# Altium PCB control_PWR_PCB.PcbDoc (part 1 of 2) (continued)
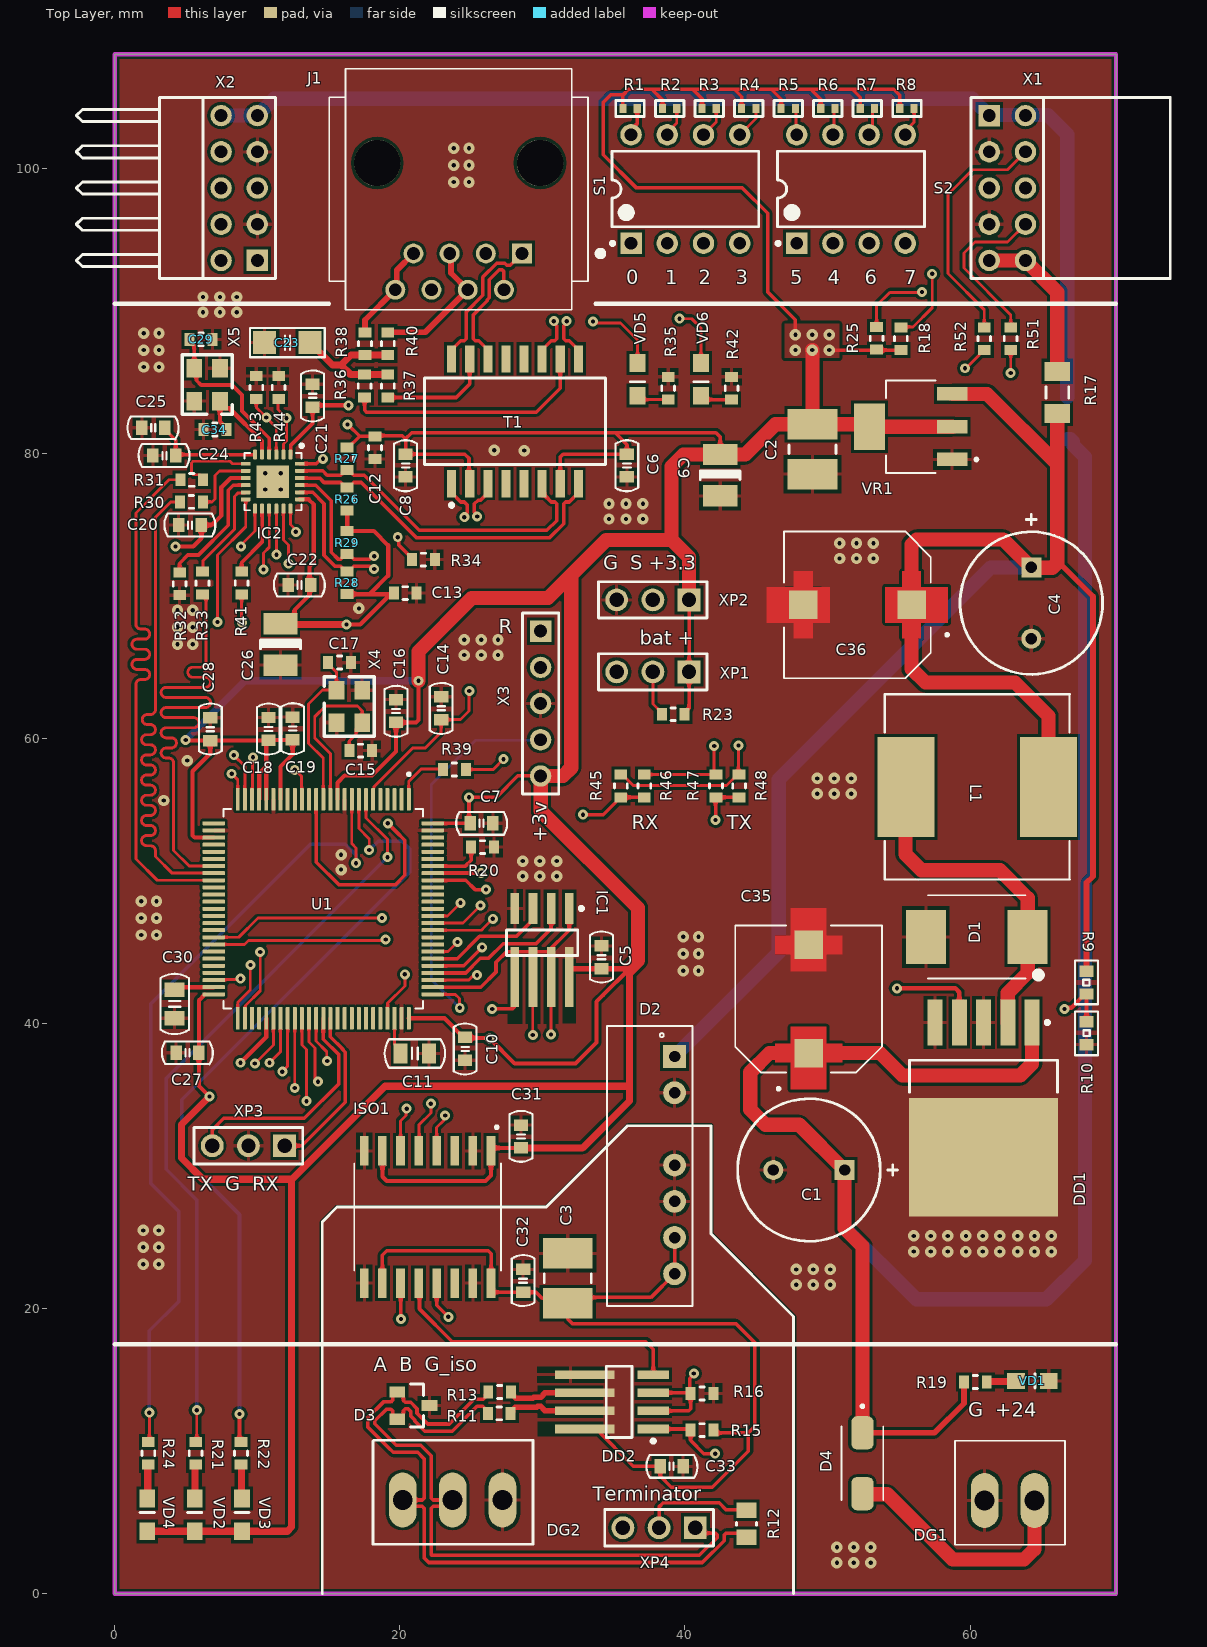
[diagram p0: Top Layer view]
## Components (designator, comment, footprint, x,y, rotation, side; value= is the part's Value field where it differs from the comment) (continued)
T1 "B78476A8065A003" EPCS-B78476A8065A003-16 28.075,82.25 r90 top
U1 "STM32F407VE" QFP50P1600X1600X160-100N 14.625,48.05 r270 top
VD1 "0805 Green" 0805- 63.225,14.925 r0 top
VD2 "0805 Green" 0805- 5.6,4.375 r90 top
VD3 "0805 Green" 0805- 8.925,4.375 r90 top
VD4 "0805 Green" 0805- 2.275,4.375 r90 top
VD5 "0805 Green" 0805- 36.675,86.35 r270 top
VD6 "0805 Green" 0805- 41.125,86.35 r270 top
VR1 "LM1117MPX-3.3" VREG_LM1117MPX-3.3 55.85,81.875 r180 top
X1 "PBD-10R" PBD-10RR 61.35,103.7 r270 top value=KLS1-208-2-10-R
X2 "PLD-10R" PLD-10RR2 10,93.54 r90 top value=NC
X3 "PLS-5 2.54" PLS-5-3D 29.875,67.53 r270 top
X4 "12Mhz" XTAL_3.2_2.5 15.55,63.4 r270 top value="3.3_2.5 12Mhz"
X5 "25Mhz" XTAL_3.2_2.5 7.375,83.675 r90 top value="3.3_2.5 25Mhz"
XP1 "NC" ZL201-3 37.75,64.675 r180 top
XP2 "PLS-3 2.54" ZL201-3 37.75,69.725 r180 top
XP3 "NC" ZL201-3 9.375,31.425 r180 top
XP4 "PLS-3 2.54" ZL201-3 38.185,4.625 r180 top

## Footprints (in the part's own frame and the unit in brackets; to place one, negate y for a bottom-side part, rotate by r counter-clockwise, add the part's x,y. Pads: shape width x height; smd on the part's side, far side on the other; paste and mask are expansions set on the pad)
15EDGVC-3.5-16P#1 [mil]
  oval 152x76 hole 55.12: 1(0,0) 2(0,-137.8)
  silkscreen extent -165,-220 122,85, body extent -167,-220 117,87, height 362
15EDGVC-3.5-16P#2 [mil]
  oval 152x76 hole 55.12: 1(0,0) 2(0,-137.8) 3(0,-275.59)
  silkscreen extent -165,-358 122,85, body extent -165,-360 118,85, height 366
0805- [mm]
  rect 1.25x1.1 smd mask+0.06: A(0,0) K(2.3,0)
  silkscreen extent 1.33,-0.5 1.33,0.5, body extent 0.12,-0.62 2.14,0.63, height 1.1
*SOIC127P1030X265-16N [mm]
  rect 2.06x0.6 smd: 1(-4.64,4.445) 2(-4.64,3.175) 3(-4.64,1.905) 4(-4.64,0.635) 5(-4.64,-0.635) 6(-4.64,-1.905) 7(-4.64,-3.175) 8(-4.64,-4.445) 9(4.64,-4.445) 10(4.64,-3.175) 11(4.64,-1.905) 12(4.64,-0.635) 13(4.64,0.635) 14(4.64,1.905) 15(4.64,3.175) 16(4.64,4.445)
  silkscreen extent -6.4,-5.15 3.75,5.15
AM2D-NZ [mm]
  rect 1.6x1.6 hole 0.8: 1(0,0)
  round 1.6 hole 0.8: 2(2.54,0) 4(7.62,0) 5(10.16,0) 6(12.7,0) 7(15.24,0)
  silkscreen extent -2.15,-4.75 17.5,1.25
CAP_EEEFK1V471SV [mm]
  rect 2x2 smd paste-2 mask+0: 1(-3.8,0) 2(3.8,0)
  Top Layer region: -3.15,1.25 -1.95,1.25 -1.95,-1.25 -3.15,-1.25 -3.15,-2.35 -4.45,-2.35 -4.45,-1.25 -6.35,-1.25 -6.35,1.25 -4.45,1.25 -4.45,2.35 -3.15,2.35
  Top Layer region: 4.45,1.25 6.35,1.25 6.35,-1.25 4.45,-1.25 4.45,-2.35 3.15,-2.35 3.15,-1.25 1.95,-1.25 1.95,1.25 3.15,1.25 3.15,2.35 4.45,2.35
  silkscreen extent -6.4,-5.15 5.15,5.15, body extent -5.85,-5.15 5.85,5.15, height 9.5
"CAPACITOR 0603" [mm]
  rect 0.8x1 smd: 1(0,0) 2(1.6,0)
  silkscreen extent -0.97,-0.8 2.6,0.8, body extent -0.01,-0.38 1.64,0.42, height 0.81
"CAPACITOR 0805" [mm]
  rect 1x1.4 smd: 1(0,0) 2(2,0)
  silkscreen extent -1.12,-1 3.12,1, body extent 0.01,-0.6 2.01,0.6, height 1.26
"CAPACITOR 1206" [mm]
  rect 1.6x1.6 smd: 1(0,0) 2(3.2,0)
  silkscreen extent -1.02,-1.02 4.23,1.02, body extent 0.01,-0.8 3.22,0.8, height 1.26
CAPCHIP0603 [mm] "Chip Capacitor, 2-Leads, Body 1,6x0,8mm"
  rect 0.7x0.9 smd mask+0.06: 1(-0.8,0) 2(0.8,0)
  silkscreen extent -0.15,-0.45 0.15,0.45, body extent -0.8,-0.4 0.8,0.4, height 0.9
CAPCHIP1812 [mm] "Chip Capacitor, 2-Leads, Body 4,50x3,20mm,"
  rect 2.15x3.5 smd mask+0.06: 1(-1.75,0) 2(1.75,0)
  silkscreen extent -0.3,-1.65 0.3,1.65, body extent -2.25,-1.6 2.25,1.6, height 1
DIOM5226X240N [mm]
  rrect50% 2.33x1.55 smd: A(2.135,0) C(-2.135,0)
  silkscreen extent -4.1,-1.46 2.6,1.46, body extent -2.6,-1.3 2.6,1.3, height 2.4
DIOM7958X213N [mil]
  rect 110x150 smd: A(140.49,0) C(-140.49,0)
  silkscreen extent -176,-115 135,115
DIP-8 [mm] "DIP; 8 Leads; Row Spacing 7.62 mm; Pitch 2.54 mm"
  rect 1.5x1.5 hole 0.9: 1(-3.81,3.81)
  round 1.5 hole 0.9: 2(-3.81,1.27) 3(-3.81,-1.27) 4(-3.81,-3.81) 5(3.81,-3.81) 6(3.81,-1.27) 7(3.81,1.27) 8(3.81,3.81)
  silkscreen extent -3.93,-5.15 2.65,5.23, body extent -3.6,-5.15 3.6,5.15, height 5.08
"ECR 10x13mm" [mm] "Rad Capacitor 50В-220мкФ"
  rect 1.4x1.4 hole 0.8 mask+0.06: 1(-2.5,0)
  round 1.4 hole 0.8 mask+0.06: 2(2.5,0)
  silkscreen extent -6.22,-5 5,5
EPCS-B78476A8065A003-16 [mm] "SMD, 16-Leads, Body 12.7x7.11mm, Pitch 1.27mm"
  rect 1.905x0.64 smd: 1(-4.383,4.445) 2(-4.383,3.175) 3(-4.383,1.905) 4(-4.383,0.635) 5(-4.383,-0.635) 6(-4.383,-1.905) 7(-4.383,-3.175) 8(-4.383,-4.445) 9(4.383,-4.445) 10(4.383,-3.175) 11(4.383,-1.905) 12(4.383,-0.635) 13(4.383,0.635) 14(4.383,1.905) 15(4.383,3.175) 16(4.383,4.445)
  silkscreen extent -6.01,-6.35 3.03,6.35, body extent -3.55,-6.35 3.55,6.35, height 5.85
LAN8742A [mm]
  rrect50% 0.69x0.28 smd: 1(-0.645,2.5) 2(-0.645,2) 3(-0.645,1.5) 4(-0.645,1) 5(-0.645,0.5) 6(-0.645,0) 13(3.145,0) 14(3.145,0.5) 15(3.145,1) 16(3.145,1.5) 17(3.145,2) 18(3.145,2.5)
  rrect50% 0.28x0.69 smd: 7(0,-0.645) 8(0.5,-0.645) 9(1,-0.645) 10(1.5,-0.645) 11(2,-0.645) 12(2.5,-0.645) 19(2.5,3.145) 20(2,3.145) 21(1.5,3.145) 22(1,3.145) 23(0.5,3.145) 24(0,3.145)
  rect 2.286x2.286 smd: 25(1.25,1.25)
  silkscreen extent -1.36,-0.74 3.26,3.38, body extent -0.75,-0.74 3.26,3.27, height 1
NSO8 [mm] "SOIC, 8-Leads, Body 4.9x3.9mm, Pitch 1.27mm"
  rect 2.2x0.6 smd mask+0.06: 1(-2.4,1.905) 2(-2.4,0.635) 3(-2.4,-0.635) 4(-2.4,-1.905)
  rect 4.2x0.6 smd mask+0.06: 5(2.4,-1.905) 6(2.4,-0.635) 7(2.4,0.635) 8(2.4,1.905)
  silkscreen extent -2.53,-2.5 0.9,2.88, body extent -3,-2.45 3,2.45, height 1.7
PBD-10RR [mm] "Connector; Header; 5x2 Position"
  rect 1.5x1.5 hole 0.9: 1(0,0)
  round 1.5 hole 0.9: 2(0,2.54) 3(2.54,0) 4(2.54,2.54) 5(5.08,0) 6(5.08,2.54) 7(7.62,0) 8(7.62,2.54) 9(10.16,0) 10(10.16,2.54)
  silkscreen extent -1.27,-1.27 11.43,12.7, body extent -1.27,-0.3 11.43,12.7, height 5
PLD-10RR2 [mm] "Connector; Header; 5x2 Position"
  rect 1.5x1.5 hole 0.9: 1(0,0)
  round 1.5 hole 0.9: 2(0,2.54) 3(2.54,0) 4(2.54,2.54) 5(5.08,0) 6(5.08,2.54) 7(7.62,0) 8(7.62,2.54) 9(10.16,0) 10(10.16,2.54)
  silkscreen extent -1.27,-1.27 11.43,12.7, body extent -1.27,-0.32 11.43,12.52, height 5.08
PLS-5-3D [mm] "Connector; Header; 5 Position"
  rect 1.5x1.5 hole 0.9: 1(0,0)
  round 1.5 hole 0.9: 2(2.54,0) 3(5.08,0) 4(7.62,0) 5(10.16,0)
  silkscreen extent -1.27,-1.27 11.43,1.27, body extent -1.27,-1.27 11.43,1.27, height 8.44
QFP50P1600X1600X160-100N [mm]
  rrect25% 1.56x0.28 smd: 1(-7.68,6) 2(-7.68,5.5) 3(-7.68,5) 4(-7.68,4.5) 5(-7.68,4) 6(-7.68,3.5) 7(-7.68,3) 8(-7.68,2.5) 9(-7.68,2) 10(-7.68,1.5) 11(-7.68,1) 12(-7.68,0.5) 13(-7.68,0) 14(-7.68,-0.5) 15(-7.68,-1) 16(-7.68,-1.5) 17(-7.68,-2) 18(-7.68,-2.5) 19(-7.68,-3) 20(-7.68,-3.5) 21(-7.68,-4) 22(-7.68,-4.5) 23(-7.68,-5) 24(-7.68,-5.5) 25(-7.68,-6) 51(7.68,-6) 52(7.68,-5.5) 53(7.68,-5) 54(7.68,-4.5) 55(7.68,-4) 56(7.68,-3.5) 57(7.68,-3) 58(7.68,-2.5) 59(7.68,-2) 60(7.68,-1.5) 61(7.68,-1) 62(7.68,-0.5) 63(7.68,0) 64(7.68,0.5) 65(7.68,1) 66(7.68,1.5) 67(7.68,2) 68(7.68,2.5) 69(7.68,3) 70(7.68,3.5) 71(7.68,4) 72(7.68,4.5) 73(7.68,5) 74(7.68,5.5) 75(7.68,6)
  rrect25% 0.28x1.56 smd: 26(-6,-7.68) 27(-5.5,-7.68) 28(-5,-7.68) 29(-4.5,-7.68) 30(-4,-7.68) 31(-3.5,-7.68) 32(-3,-7.68) 33(-2.5,-7.68) 34(-2,-7.68) 35(-1.5,-7.68) 36(-1,-7.68) 37(-0.5,-7.68) 38(0,-7.68) 39(0.5,-7.68) 40(1,-7.68) 41(1.5,-7.68) 42(2,-7.68) 43(2.5,-7.68) 44(3,-7.68) 45(3.5,-7.68) 46(4,-7.68) 47(4.5,-7.68) 48(5,-7.68) 49(5.5,-7.68) 50(6,-7.68) 76(6,7.68) 77(5.5,7.68) 78(5,7.68) 79(4.5,7.68) 80(4,7.68) 81(3.5,7.68) 82(3,7.68) 83(2.5,7.68) 84(2,7.68) 85(1.5,7.68) 86(1,7.68) 87(0.5,7.68) 88(0,7.68) 89(-0.5,7.68) 90(-1,7.68) 91(-1.5,7.68) 92(-2,7.68) 93(-2.5,7.68) 94(-3,7.68) 95(-3.5,7.68) 96(-4,7.68) 97(-4.5,7.68) 98(-5,7.68) 99(-5.5,7.68) 100(-6,7.68)
  silkscreen extent -9.54,-7 7,7, body extent -8,-8 8,8, height 1.48
RESCHIP0603 [mm] "Chip Resistor, 2-Leads, Body 1,6x0,8mm"
  rect 0.7x0.9 smd mask+0.06: 1(-0.8,0) 2(0.8,0)
  silkscreen extent -0.15,-0.45 0.15,0.45, body extent -0.8,-0.4 0.8,0.4, height 0.4
RESCHIP0805 [mm] "Chip Resistor, 2-Leads, Body 2,0x1,3mm"
  rect 1.1x1.4 smd mask+0.06: 1(-0.95,0) 2(0.95,0)
  silkscreen extent -0.1,-0.7 0.1,0.7, body extent -1,-0.62 1,0.63, height 0.5
RESCHIP1206 [mm] "Chip Resistor, 2-Leads, Body 3,2x1,6mm"
  rect 1.35x1.8 smd mask+0.06: 1(-1.475,0) 2(1.475,0)
  silkscreen extent -0.4,-0.8 0.4,0.8, body extent -1.55,-0.77 1.55,0.78, height 0.57
"Resistor 0402" [mm]
  rect 0.5x0.6 smd: 1(0,0) 2(1,0)
  silkscreen extent -0.5,-0.55 1.5,0.55, body extent 0,-0.28 1,0.27, height 0.46
"Resistor 0603" [mm]
  rect 0.8x1 smd: 1(0,0) 2(1.6,0)
  silkscreen extent -0.72,-0.8 2.35,0.8, body extent -0.03,-0.45 1.63,0.45, height 0.46
SOT23 [mm] "SOT23, 3-Leads, Body 2.9x1.3mm, Pitch 0.95mm"
  rect 1.1x0.8 smd mask+0.06: 1(-1.125,0.95) 2(-1.125,-0.95) 3(1.125,0)
  silkscreen extent -0.2,-1.5 0.7,1.5, body extent -1.32,-1.5 1.32,1.5, height 1.08
SRR1208 [mm]
  rect 4x7 smd: P$1(-5,0) P$2(5,0)
  silkscreen extent -6.5,-6.5 6.5,6.5
TE_5520259-4 [mm]
  rect 1.398x1.398 hole 0.89: 1(-4.445,6.35)
  round 1.398 hole 0.89: 2(-3.175,8.89) 3(-1.905,6.35) 4(-0.635,8.89) 5(0.635,6.35) 6(1.905,8.89) 7(3.175,6.35) 8(4.445,8.89)
  round 3.25 hole 3.25 unplated: ""(-5.715,0) ""(5.715,0)
  silkscreen extent -10.14,-6.61 9.08,10.3
"TECAP B" [mm] "Chip Capacitor, 2-Leads, Body 3,5x2,8mm"
  rect 1.5x2.4 smd mask+0.06: 1(-1.45,0) 2(1.45,0)
  silkscreen extent -0.3,-1.4 0.3,1.4, body extent -1.75,-1.4 1.75,1.4, height 1.92
TO-263 [mm] "D2-PAK, 6-Leads, Body 8.6x10.2mm, Pitch 1.7mm, Lead Span 14.1mm"
  rect 3.2x1.05 smd mask+0.06: 1(-6,3.4) 2(-6,1.7) 3(-6,0) 4(-6,-1.7) 5(-6,-3.4)
  rect 8.3x10.45 smd mask+0.06: 6(3.45,0)
  silkscreen extent -6.12,-5.2 -1.1,5.2, body extent -7.18,-5.08 7.46,5.08, height 4.57
VREG_LM1117MPX-3.3 [mm]
  rect 2.15x0.95 smd: 1(-2.9,2.3) 2(-2.9,0) 3(-2.9,-2.3)
  rect 2.15x3.25 smd: 4(2.9,0)
  silkscreen extent -4.7,-3.25 1.75,3.25, body extent -3.5,-3.25 3.5,3.25, height 1.8
XTAL_3.2_2.5 [mm]
  rect 1.3x1.1 smd: 1(0,0) 2(2.3,0) 3(2.3,1.8) 4(0,1.8)
  silkscreen extent -0.94,-0.86 3.25,2.64, body extent -0.46,-0.34 2.74,2.16, height 0.82
ZL201-3 [mm] "Connector; PLS-3; pitch 2.54"
  rect 1.6x1.6 hole 1 mask+0.06: 1(-2.54,0)
  round 1.6 hole 1 mask+0.06: 2(0,0) 3(2.54,0)
  silkscreen extent -3.81,-1.27 3.81,1.27, body extent -3.81,-1.27 3.81,1.27, height 8.44

## Part data
C1 C4: library part "Cap Pol", "Polarized Capacitor (Rad)", Voltage=50, Type=Type, URL=http://www.hitano.com.tw/PDF/ECR_081225.pdf
C2 C3: library part "Cap C", "Ceramic Capacitor SMD", Nominal_voltage_V={Nominal_voltage_V}, Package=1812, Tolerance_Percent={Tolerance_Percent}, Body={Body}, Class="Электронные компоненты", Installation={Installation}, Ordering_Information={Ordering_Information}, Pins={Pins}, SubClass=Конденсаторы, TKE={TKE}
C5 C7 C10 C11 C14 C16 C18 C19 C27 C28 C30 C31 C32 C33: library part Capasitor, "Ceramic Capacitor SMD"
C6 C8 C20 C21 C22 C24 C25: library part Capasitor, "Ceramic Capacitor SMD", Package=0603
C9: library part "Cap T", "Solid Tantalum Surface Mount Capacitors", Package="TECAP B", Voltage=16v, Type=Type
C12 C13 C29 C34: library part "Cap C", "Ceramic Capacitor SMD C0603", Package=0603, Type=0603
C15 C17: library part "Cap C", "Ceramic Capacitor SMD 0603", Type=0603
C23: library part Capasitor, "Ceramic Capacitor SMD", Package=1206
C26: library part "Cap T", "Solid Tantalum Surface Mount Capacitors", Package="TECAP B", Voltage=16V, Type="TECAP B"
C35 C36: "470µF 35V Aluminum Electrolytic Capacitors Radial, Can - SMD 80mOhm @ 100kHz 2000 Hrs @ 105°C", Package="RADIAL-2 Panasonic", Availability="In Stock", Check_prices=https://www.snapeda.com/parts/EEE-FK1V471SV/Panasonic/view-part/?ref=eda, MF="Panasonic Electronic Components", MP=EEE-FK1V471SV, Price=None, Purchase-URL=https://pricing.snapeda.com/search/part/EEE-FK1V471SV/?ref=eda, SnapEDA_Link=https://www.snapeda.com/parts/EEE-FK1V471SV/Panasonic/view-part/?ref=snap
D1: "Diode Schottky 40V 5A Surface Mount SMC", Package="DO-214 ON Semiconductor", Availability=Unavailable, MF="ON Semiconductor", MP=MBRS540T3G, Price=None, SnapEDA_Link=https://www.snapeda.com/parts/MBRS540T3G/ON%20Semiconductor/view-part/78777/?ref=snap
D2: "DC-DC 5V"
D3: "Asymmetrical TVS Diode for Extended Common-Mode RS-485"
D4: "Diode Schottky 40 V 3A Surface Mount SMA", Package="DO-214 Diodes Inc.", Availability="In Stock", Check_prices=https://www.snapeda.com/parts/B340A-13/Diodes+Inc./view-part/?ref=eda, MF="Diodes Inc.", MP=B340A-13, Price=None, Purchase-URL=https://pricing.snapeda.com/search/part/B340A-13/?ref=eda, SnapEDA_Link=https://www.snapeda.com/parts/B340A-13/Diodes+Inc./view-part/?ref=snap
DD1: "SIMPLE SWITCHER® Power Converter 150 KHz 3A Step-Down Voltage Regulator, 5-pin TO-263", Manufacturer="National Semiconductor", ComponentLink1URL=http://www.national.com/ds/LM/LM2596.pdf, ComponentLink2URL=http://www.national.com/pf/LM/LM2596.html, ComponentLink3URL=http://www.national.com/packaging/folders/ts5b.html, CompType=Switcher, PartNumber=LM2596S-ADJ, Published=13.04.2012, Publisher="Reukov A.V."
DD2: library part MAX485, "Low-Power, Slew-Rate-Limited RS-485/RS-422 Transceiver", ComponentLink1URL=http://pdfserv.maxim-ic.com/en/ds/MAX1487-MAX491.pdf, Type=MAX485
DG2: library part 15EDGVC-3.5-3P
IC1: library part W25Q128FVEIG, "Serial Flash Memory with uniform 4KB sectors and Dual/Quad SPI and QPI"
ISO1: "Digital isolator", Package=SOIC127P1030x265-16N
J1: "Jack Modular Connector 8p8c _RJ45, Ethernet_ Vertical Unshielded Cat3", Package=None, Availability=Unavailable, Centerline_Pitch="1.02 mm[.04 in]", EU_RoHS_Compliance=Compliant, MF="TE Connectivity", MP=5520259-4, Number_of_Positions=8, Price=None, SnapEDA_Link=https://www.snapeda.com/parts/5520259-4/TE%20Connectivity%20AMP%20Connectors/view-part/2000900/?ref=snap, TE_purchase_URL=https://www.te.com/usa-en/product-5520259-4.html?te_bu=Cor&te_type=disp&te_campaign=seda_glo_cor-seda-global-disp-prtnr-fy19-seda-model-bom-cta_sma-317_1&elqCampaignId=32493
L1: library part SRR1208-6R5ML, "68µH Shielded Wirewound Inductor 1.8A 18mOhm Max Nonstandard", Package="Nonstandard Bourns", Availability=Unavailable, MF=Bourns, MP=SRR1208-6R5ML, Price=None, SnapEDA_Link=https://www.snapeda.com/parts/SRR1208-6R5ML/Bourns/view-part/353452/?ref=snap
R1 R2 R3 R4 R5 R6 R7 R8: library part Resistor, "Resistor", Package=0402
R9 R10: library part Resistor, "Resistor", Package=0603
R11 R12 R13 R14 R15 R16 R17 R18 R19 R20 R21 R22 R23 R24 R25 R39 R45 R46 R47 R48: library part Res, "Resistor", Package=0603, Tolerance_Percent={Tolerance_Percent}, CompType=Resistor, Pins=2
R26 R27 R28 R29 R30 R31 R32 R33 R36 R37 R38 R40 R41 R43 R44 R51 R52: library part Res, "Resistor", Package=0603, Power_W={Power_W}, Tolerance_Percent={Tolerance_Percent}, Body={Body}, Class="Электронные компоненты", Installation={Installation}, Ordering_Information={Ordering_Information}, Pins=2
  R26 R27 R28 R29: SubClass=Resistor
  R30 R31 R32 R33 R36 R37 R38 R40 R41 R43 R44 R51 R52: SubClass=Резисторы
R34: library part Res, "Resistor", Package=0603, Power_W={Power_W}, Tolerance_Percent=1%, Body={Body}, Class="Электронные компоненты", Installation={Installation}, Ordering_Information={Ordering_Information}, Pins=2, SubClass=Резисторы
R35 R42: library part Res, "Resistor", Package=0603, Tolerance=%, PWR=Value, Type=0603
S1 S2: "DIP Switch", LatestRevisionDate=17-Jul-2002, LatestRevisionNote="Re-released for DXP Platform.", PackageReference=DIP-8, Published=24-Mar-1999, Publisher="Altium Limited"
T1: "Magnetics Modules for LAN Application, 10/100 Base-T Magnetics Module, 1 Port, 0 to 70 degC, 16-Pin SMD, RoHS, Tape and Reel", Inductance L="350 uH min.", Manufacturer=EPCOS, Operating Temperature Range="0 to 70 degC", Voltage Test="1500 V AC", ComponentLink1Description="Manufacturer URL", ComponentLink1URL=http://www.epcos.com/, ComponentLink2Description=Datasheet, ComponentLink2URL=http://www.epcos.com/inf/30/ds/lan_mod/B78476A8065A003.pdf, ComponentLink3Description="Package Specification", ComponentLink3URL=http://www.epcos.com/inf/30/ds/lan_mod/B78476A8065A003.pdf, DatasheetVersion=08/2012, Insertion loss="-1.0 dB max.", Mounting Technology="Surface Mount", PackageDescription="16-Pin Surface Mount Device, Body 12.7 x 7.11 mm, Pitch 1.27 mm", PackageReference=B78476A8065A003-16, PackageVersion=08/2012, Packing="Tape and Reel", PartNumber=B78476A8065A003, Ports=1, RoHS=TRUE, Turns Ratio="1CT +/- 3%", Weight="0.8 g"
U1: library part STM32F303V, "STM32F407VE Microcontroller IC 32-Bit 100-LQFP (14x14)", Package="LQFP-100 STMicroelectronics", Availability=Unavailable, MF=STMicroelectronics, MP=STM32F303V, Price=None
VD1 VD2 VD3 VD4 VD5 VD6: library part "LED SMD", Package=0805, CompType=LED, Pins=2
  VD2: Note=Read
  VD3: Note=Green
  VD4 VD5 VD6: Note=Blue
VR1: "800-mA 3.3-V linear voltage regulator", Package="SOT-223-4 Texas Instruments", Availability="In Stock", Check_prices=https://www.snapeda.com/parts/LM1117MPX-3.3/Texas+Instruments/view-part/?ref=eda, MF="Texas Instruments", MP=LM1117MPX-3.3, Price=None, Purchase-URL=https://pricing.snapeda.com/search/part/LM1117MPX-3.3/?ref=eda, SnapEDA_Link=https://www.snapeda.com/parts/LM1117MPX-3.3/Texas+Instruments/view-part/?ref=snap
X1 X2: "Header, 5-Pin, Dual row"
  X1: Package=PBD-10R
  X2: Package=PLD-10R
X3: library part PLS-5, "Header, 5-Pin", LatestRevisionDate=17-Jul-2002, LatestRevisionNote="Re-released for DXP Platform.", Publisher="Altium Limited"
X4: library part "XTAL 2-pin", "3.3_2.5 12Mhz"
X5: library part "XTAL 2-pin", "3.3_2.5 25Mhz"
XP1: library part "Select jump", Class="Электронные компоненты", Installation=DIP, Ordering_Information={Ordering_Information}, Pins=3, Pitch_mm={Pitch_mm}, SubClass=Разъемы, Type_of_connector={Type_of_connector}
XP2 XP3: library part "Select jump", "Ter120", Class="Электронные компоненты", Installation=DIP, Ordering_Information={Ordering_Information}, Pins=3, Pitch_mm={Pitch_mm}, SubClass=Разъемы, Type_of_connector={Type_of_connector}
XP4: library part "Select jump", "Connector, 3-Pin", Class="Электронные компоненты", Installation=DIP, Ordering_Information={Ordering_Information}, Pins=3, Pitch_mm={Pitch_mm}, SubClass=Разъемы, Type_of_connector={Type_of_connector}

## Via types
v1: diameter 0.8, hole 0.3, Top Layer to Bottom Layer, tented both sides, 115 vias
v2: diameter 0.7, hole 0.3, Top Layer to Bottom Layer, tented both sides, 88 vias

## Nets (pads, with @x,y where several pads share a name; then routed paths per layer and width w, separated by ;. In a path a pad name is that pad's centre, name@x,y a point inside that pad or via, vN(x,y) a via of type N, cw(c..) or ccw(c..) an arc to the next point about the centre after c; other vN are vias at no path point)
485_N: DD2.7 R11.1 | length 5.6
  Top Layer w0.381: R11.1@27.775,12.65 27.935,12.81 27.935,12.912 28.105,13.083 29.595,13.083 29.655,13.142 29.895,13.142 30.065,12.972 30.065,12.934 30.175,12.825 DD2.7@32.975,12.825
485_P: DD2.6 R13.1 | length 5.6
  Top Layer w0.381: R13.1@27.8,14.15 27.96,13.99 27.96,13.888 28.13,13.718 29.332,13.718 29.392,13.777 29.895,13.777 30.065,13.948 30.065,13.985 30.175,14.095 DD2.6@32.975,14.095
+3.3v: C2.2 C5.1 C6.1 C7.1 C8.1 C9.1 C10.1 C12.1 C13.1 C16.2 C18.2 C19.2 C20.1 C21.2 C22.1 C26.1 C27.1 C28.1 C31.1 IC1.8 IC2.1 IC2.9 IC2.19 ISO1.1 ISO1.7 R1.1 R2.1 R3.1 R4.1 R5.1 R6.1 R7.1 R8.1 R18.2 R23.1 R25.2 R26.2 R27.2 R28.2 R29.2 T1.2 T1.7 U1.11 U1.19 U1.21 U1.22 U1.28 U1.50 U1.75 U1.100 VD2.A VD3.A VD4.A VR1.2 VR1.4 X3.5 XP1.1 XP2.1 | length 499.7
  Top Layer w0.25: IC2.1@12.33,79.92 12.33,80.555 13.875,82.1 C21.2@13.875,83.25 ; R27.2@16.3,80.425 16.4,80.425 17.175,81.2 ; v2(16.325,82.025) 16.35,82.025 17.175,81.2 ; U1.100@22.305,54.05 C7.1@24.925,54.05 24.85,54.125 v2(24.85,55.875) 26.775,55.875 28.275,57.375 29.87,57.375 X3.5@29.875,57.37 ; T1.2@24.9,77.867 24.85,77.917 24.85,79.65 24.55,79.95 C8.1@20.4,79.95 20.4,81.025 ; T1.7@31.25,77.867 31.25,79.75 31.45,79.95 C6.1@35.925,79.95 35.925,80.625 35.1,81.45 ; R1.1@35.65,104.2 35.65,105.15 ; R2.1@38.425,104.2 38.425,104.8 37.675,105.55 ; R23.1@39.975,61.7 39.975,61.8 40.29,62.115 XP1.1@40.29,64.675 XP2.1@40.29,69.725 ; R3.1@41.2,104.2 41.2,104.875 40.525,105.55 ; C9.1@42.025,79.925 C9.1@42.475,79.925 42.475,81.15 42.175,81.45 35.1,81.45 ; R4.1@43.975,104.2 43.975,105.025 43.45,105.55 ; R5.1@46.75,104.2 46.75,104.85 46.05,105.55 ; v1(47.75,88.325) 47.75,89.375 45.8,91.325 45.8,96.85 44.025,98.625 36.6,98.625 34.275,100.95 34.275,104.625 34.8,105.15 35.65,105.15 ; R6.1@49.525,104.2 49.525,104.85 48.825,105.55 ; v1@50.15,87.275 v1(50.125,87.25) R18.2@55.15,87.25 ; R7.1@52.3,104.2 52.3,104.988 51.738,105.55 ; R8.1@55.075,104.2 55.075,105.125 54.65,105.55 51.738,105.55 ; 17.175,81.2 C12.1@18.25,81.2 18.3,81.25 20.175,81.25 20.4,81.025 ; 20.4,81.025 20.825,81.45 35.1,81.45 ; 35.65,105.15 36.05,105.55 37.675,105.55 ; 37.675,105.55 40.525,105.55 ; 40.525,105.55 43.45,105.55 ; 43.45,105.55 46.05,105.55 ; 46.05,105.55 48.825,105.55 ; 48.825,105.55 51.738,105.55
  Top Layer w0.3: v2(4.25,73.475) 5.5,73.475 6.075,74.05 C20.1@6.075,74.975 6.8,74.975 7.475,75.65 7.475,77.622 8.128,78.275 IC2.9@9.185,78.275 ; v2(4.972,59.897) 5.007,59.863 6.688,59.863 C28.1@6.7,59.85 ; U1.50@6.315,42.04 5.9,41.625 C27.1@5.9,37.95 5.9,35.625 v2(6.65,34.875) ; U1.28@6.945,53.05 5.601,53.05 5.454,53.196 5.454,57.704 6.7,58.95 C28.1@6.7,59.85 ; U1.22@10.125,55.73 10.125,57.525 10.625,58.025 ; U1.21@10.625,55.73 10.625,58.025 ; C18.2@10.775,59.875 C18.2@10.763,59.863 ; C18.2@10.787,59.888 12.463,59.888 12.475,59.9 12.475,58.875 11.625,58.025 U1.19@11.625,55.73 ; C26.1@11.625,68.05 C26.1@11.675,68 ; C26.1@12.004,68.05 12.604,68.65 12.604,69.004 13.664,70.064 13.664,70.538 13.653,70.549 13.653,72.07 13.966,72.383 13.966,76.409 13.6,76.775 IC2.19@12.975,76.775 ; C21.2@13.875,83.25 14,83.375 v2(16.4,83.375) ; U1.11@15.625,55.73 15.625,56.9 16.125,57.4 18.039,57.4 19.725,59.086 C16.2@19.725,61.125 21.124,61.125 21.3,61.301 v2(21.3,64.05) ; v2(16.25,68) 17.225,68 C13.1@19.35,70.125 ; R28.2@16.3,70.125 17.875,70.125 ; R26.2@16.3,76 R29.2@16.3,74.55 18.175,74.55 19.175,73.55 19.175,71.425 17.875,70.125 ; ISO1.7@18.775,31.065 18.775,29.25 19.075,28.95 26,28.95 26.395,29.345 ISO1.1@26.395,31.065 26.395,31.125 26.545,31.275 C31.1@28.5,31.275 ; C13.1@19.575,70.2 19.5,70.125 C13.1@19.35,70.125 ; U1.75@20.625,40.37 23.13,40.37 24.475,39.025 C10.1@24.575,39.025 24.613,38.988 26.262,38.988 v2(26.3,38.95) 28.05,37.2 32.325,37.2 33.8,38.675 33.8,41.536 34.225,41.961 36.114,43.85 ; C28.1@6.7,59.85 6.713,59.863 C18.2@10.763,59.863 ; 10.625,58.025 10.625,59.725 C18.2@10.763,59.863 ; 17.875,70.125 C13.1@19.35,70.125
  Top Layer w0.4: IC1.8@31.88,43.275 31.88,43.75 31.98,43.85 C5.1@34.15,43.85 36.114,43.85
  Top Layer w0.5: VD4.A@2.275,4.375 VD2.A@5.6,4.375 VD3.A@8.925,4.375 12.107,4.375 12.4,4.668 12.4,29.05 12.425,29.075 ; v2(6.65,34.875) 4.688,32.913 4.688,30.562 6.175,29.075 12.425,29.075 ; C26.1@11.675,68 v2(16.25,68) ; C31.1@28.5,31.275 32.825,31.275 36.114,34.564 36.114,35.6 ; 36.114,43.85 36.114,35.6 ; 12.425,29.075 18.95,35.6 36.114,35.6
  Top Layer w1: v2(21.3,64.05) 21.3,66.1 25.05,69.85 30.4,69.85 32.025,71.475 ; 36.114,43.85 36.7,44.436 36.7,48.1 29.875,54.925 X3.5@29.875,57.37 31.445,57.37 32.025,57.95 32.025,71.475 ; XP2.1@40.29,69.725 40.29,72.71 39.075,73.925 39.05,73.925 ; C9.1@42.025,79.925 39.9,79.925 39.05,79.075 39.05,73.925 ; C9.1@42.475,79.925 44.225,79.925 46.35,82.05 C2.2@48.95,82.05 ; v1(48.937,87.25) 48.95,87.238 C2.2@48.95,82.05 ; VR1.2@58.75,81.875 VR1.4@52.95,81.875 52.775,82.05 C2.2@48.95,82.05 ; 32.025,71.475 34.475,73.925 39.05,73.925
  Layer 3 w0.5: v2(4.25,73.475) 4.25,80.1 8.05,83.9 15.875,83.9 v2(16.4,83.375) ; v2(16.25,68) 16.25,81.809 16.287,81.845 16.287,81.987 v2(16.325,82.025) v2@16.325,83.375
  Bottom Layer w0.5: v2(4.972,59.897) 9.125,64.05 v2(21.3,64.05)
  other v1: 47.75,87.25 48.937,88.325 50.125,88.325
+5v: C4.1 C36.1 D2.1 L1.P$2 R9.2 R17.2 VR1.3 | length 132.1
  Top Layer w0.4: 66.276,72.312 68.625,69.964 68.625,50.325 68.175,49.875 R9.2@68.175,43.675
  Top Layer w1: VR1.3@58.75,84.175 61.2,84.175 66.125,79.25 ; C4.1@64.3,72 64.474,72 64.5,71.974 65.774,71.974 66.125,72.325 66.125,79.25 ; C4.1@64.35,71.95 62.334,73.966 56.251,73.966 55.9,73.614 C36.1@55.9,69.375 55.9,64.9 56.875,63.925 63.15,63.925 65.5,61.575 L1.P$2@65.5,56.6 ; R17.2@66.125,82.8 66.125,79.25
  Bottom Layer w1: D2.1@39.275,37.685 46.575,44.985 46.575,57.125 61.45,72 C4.1@64.3,72
+5v_ISO: C3.2 C32.1 C33.1 D2.6 D2.7 DD2.8 ISO1.10 ISO1.16 R15.1 | length 69
  Top Layer w0.25: ISO1.10@18.775,21.785 18.775,23.75 19.075,24.05 26.2,24.05 26.4,23.85 26.4,21.79 ISO1.16@26.395,21.785 26.395,21.325 26.57,21.15 C32.1@28.65,21.15 29.55,21.15 29.975,20.725 31.716,20.725 C3.2@31.775,20.784 ; DD2.8@32.975,11.555 33.775,11.555 36.38,8.95 38.25,8.95 C33.1@38.268,8.932 38.268,8.257 39.05,7.475 41.925,7.475 44.45,10 44.45,11.275 ; D2.6@39.275,24.985 D2.7@39.275,22.445 37.614,20.784 C3.2@31.775,20.784 ; R15.1@42,11.475 42.2,11.275 44.45,11.275 ; C3.2@31.775,20.784 31.775,19.275 32.1,18.95 43.575,18.95 44.9,17.625 44.9,11.725 44.45,11.275
BOOT_OUT: R52.1 U1.43 | length 85.1
  Top Layer w0.2: U1.43@6.945,45.55 9.1,45.55 9.375,45.825 18.925,45.825 v2(19,45.9) ; v2(59.65,85.975) 59.725,85.975 60.65,86.9 60.65,87 60.9,87.25 R52.1@61,87.25
  Layer 3 w0.2: v2(19,45.9) 17.275,45.9 16.625,46.55 16.625,48.025 18.2,49.6 21.25,49.6 25,53.35 38.125,53.35 41.425,56.65 44.175,56.65 59.65,72.125 v2(59.65,85.975)
DE: ISO1.4 U1.85 | length 23.5
  Top Layer w0.2: U1.85@22.305,46.55 25.725,46.55 25.975,46.8 v2(26.525,47.35) ; ISO1.4@22.585,31.065 22.575,31.075 22.575,32.7 23.079,33.204 23.079,33.454 v2(23.175,33.55)
  Layer 2 w0.2: v2(23.175,33.55) 23.175,45.769 24.756,47.35 v2(26.525,47.35)
Eth_NRST: IC2.15 U1.23 | length 39.2
  Top Layer w0.2: U1.23@9.625,55.73 9.662,55.767 9.662,58.637 v2(9.7,58.675) ; v2(10.425,71.85) 10.425,73.01 10.83,73.415 IC2.15@10.83,76.13
  Layer 2 w0.2: v2(9.7,58.675) 9.675,58.65 9.675,56.925 9.05,56.3 5.275,56.3 3.625,57.95 3.625,70.275 7.75,74.4 9.875,74.4 10.425,73.85 v2(10.425,71.85)
GND: C1.2 C2.1 C4.2 C5.2 C6.2 C7.2 C8.2 C9.2 C10.2 C11.2 C12.2 C13.2 C14.1 C15.1 C16.1 C17.1 C18.1 C19.1 C20.2 C21.1 C22.2 C23.2 C24.2 C25.2 C26.2 C27.2 C28.2 C29.1 C30.1 C31.2 C34.1 C35.2 C36.2 D1.A D2.2 DD1.3 DD1.5 DD1.6 DG1.2 IC1.4 IC2.25 ISO1.2 ISO1.8 R10.2 R20.1 R32.1 R34.2 R35.1 R42.1 R43.1 R44.1 U1.10 U1.20 U1.27 U1.74 U1.99 VD1.K VR1.1 X1.3 X1.7 X2.3 X2.7 X3.3 X4.2 X4.4 X5.2 X5.4 XP2.3 XP3.2
  other v1: 50.663,2.175 51.85,2.175 53.037,2.175 50.663,3.25 51.85,3.25 53.037,3.25 47.813,21.675 49,21.675 50.187,21.675 47.813,22.75 49,22.75 50.187,22.75 2,23.113 3.075,23.113 56.063,24 57.25,24 58.437,24 59.713,24 60.9,24 62.087,24 63.338,24 64.525,24 65.712,24 2,24.3 3.075,24.3 56.063,25.1 57.25,25.1 58.437,25.1 59.713,25.1 60.9,25.1 62.087,25.1 63.338,25.1 64.525,25.1 65.712,25.1 2,25.487 3.075,25.487 39.875,43.713 40.95,43.713 39.875,44.9 40.95,44.9 39.875,46.087 40.95,46.087 1.85,46.213 2.925,46.213 1.85,47.4 2.925,47.4 1.85,48.587 2.925,48.587 28.625,50.325 29.812,50.325 31,50.325 15.875,50.8 28.625,51.4 29.812,51.4 31,51.4 15.875,51.85 3.425,55.65 49.288,56.125 50.475,56.125 51.662,56.125 49.288,57.2 50.475,57.2 51.662,57.2 5.075,58.45 24.513,65.85 25.7,65.85 26.887,65.85 4.4,66.613 5.475,66.613 24.513,66.925 25.7,66.925 26.887,66.925 4.4,67.8 5.475,67.8 4.4,68.987 5.475,68.987 17.125,69.125 50.85,72.625 52.038,72.625 53.225,72.625 50.85,73.7 52.038,73.7 53.225,73.7 34.675,75.4 35.862,75.4 37.05,75.4 34.675,76.475 35.862,76.475 37.05,76.475 28.725,80.2 26.625,80.225 2.025,86.063 3.1,86.063 2.025,87.25 3.1,87.25 2.025,88.437 3.1,88.437 6.188,89.9 7.375,89.9 8.562,89.9 6.188,90.975 7.375,90.975 8.562,90.975 23.775,99.038 24.85,99.038 23.775,100.225 24.85,100.225 23.775,101.412 24.85,101.412
  other v2: 10.559,77.469 11.643,77.469 10.559,78.607 11.643,78.607
GND_ISO: C3.1 C32.2 C33.2 D2.4 D2.5 D3.3 DD2.5 DG2.1 ISO1.9 ISO1.15 R16.1
MAC_b0: S1.1 U1.55 | length 76.8
  Top Layer w0.3: v2(8.825,37.25) 10.625,39.05 U1.55@10.625,40.37
  Layer 3 w0.2: v2(8.825,37.25) 7.2,38.875 7.2,50.6 16.425,59.825 16.425,66.875 22.6,73.05 22.6,80.175 25.85,83.425 30.5,83.425 36.22,89.145 S1.1@36.22,94.74
MAC_b1: S1.2 U1.56 | length 77.4
  Top Layer w0.2: v2(9.825,37.2) 11.125,38.5 U1.56@11.125,40.37
  Layer 3 w0.2: v2(9.825,37.2) 9.825,38.15 8,39.975 8,50.475 17,59.475 17,66.425 23.525,72.95 23.525,79.125 26.55,82.15 31.125,82.15 38.76,89.785 S1.2@38.76,94.74
MAC_b2: S1.3 U1.57 | length 73.5
  Top Layer w0.2: v2(10.85,37.25) 11.612,38.012 11.612,40.358 U1.57@11.625,40.37
  Layer 3 w0.2: v2(10.85,37.25) 10.85,52.425 17.625,59.2 17.625,66.125 35.375,83.875 41.3,89.8 S1.3@41.3,94.74